# KiCad board H.A.V.O.C. PCB V 1.0.kicad_pcb (continued)
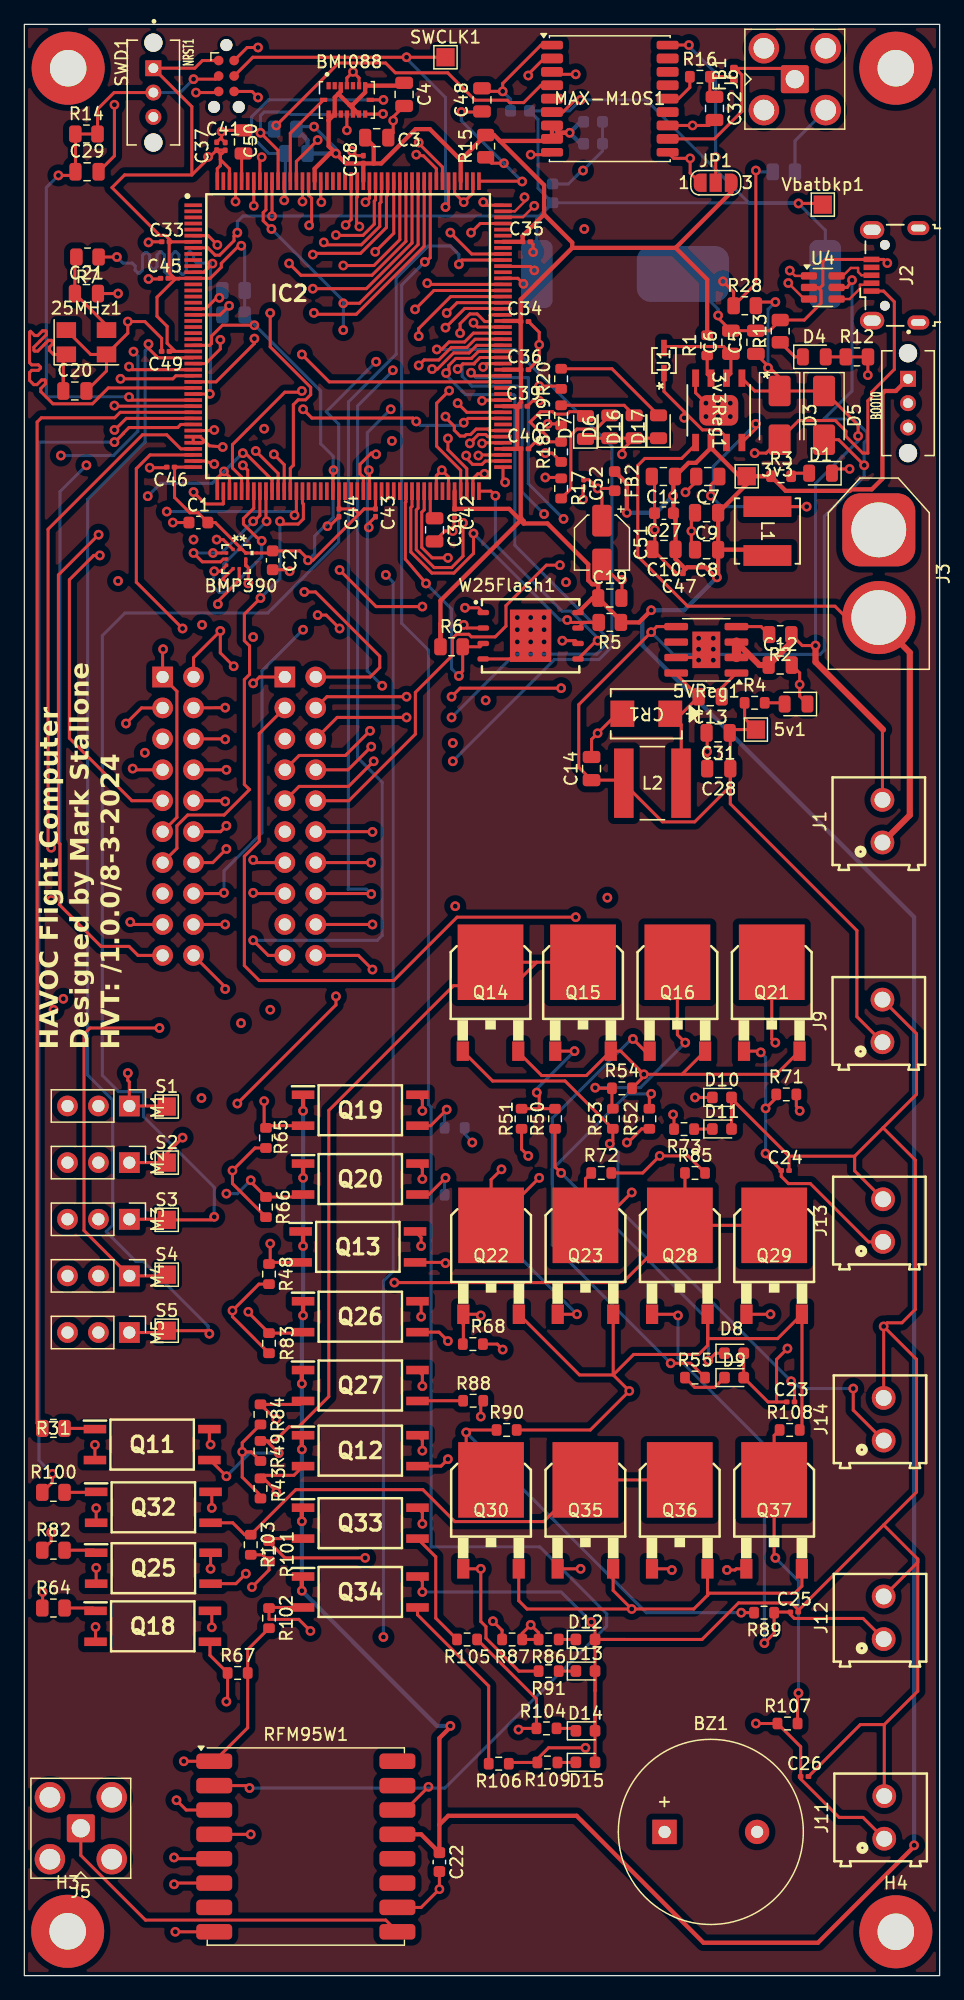
[diagram p0: board, top side]
## Routing (per net, layer and track width the routed paths; a pad name or vN(x,y) marks a point on that pad's centre or on a via; arc(x,y) is an arc through that point) (continued)
DROGUE_SIGNAL: length 96
  Top w0.25: R31.1 1.05,45.35 1.05,127.55 1.4,127.9 7.43,127.9 7.88,128.35 IC2.35
FLASH_!HOLD: length 28.4
  Top w0.25: 45.95,111.1 R5.2 45.95,111.1 ; 45.95,111.1 44.8,111.1 v1(44.6,111.3) ; 45.95,111.1 W25Flash1.7 ; v1(36.9,118.4) 36.9,116.76 35.29,115.15 33.48,115.15 31.75,116.88 31.75,120.52 31.85,120.62 IC2.77
  Bottom w0.25: v1(44.6,111.3) 44,111.3 v1(36.9,118.4)
FLASH_!WP: length 21.5
  Top w0.25: v1(35.7,106.7) 35.7,106.8 36.01,107.11 R6.2 37.43,109.1 W25Flash1.3 ; IC2.76 31.35,121 31.3,120.95 31.3,116.3 v1(33,114.3) 33.1,114.5
  Bottom w0.25: v1(33,114.3) 35.1,112.2 35.1,107.3 v1(35.7,106.7)
GP_GPIO6: length 82.2
  Top w0.25: J7.20 16.5,81.16 v1(16.5,81) ; IC2.49 17.85,123.02 17.1,123.77 17.1,125.7 21.4,130 22.7,130 v1(22.8,130.1)
  GND2 w0.25: v1(22.8,130.1) 23.62,129.27 23.62,118.42 18.77,113.57 13.17,113.57 7.3,107.7 7.3,84.41 10.71,81 v1(16.5,81)
GP_GPIO7: length 44.3
  Top w0.25: J7.10 16.44,96.46 v1(16.5,96.4) ; 18.09,125.21 18.09,125.14 v1(17.95,125) 18.16,125 20.35,122.81 IC2.54
  GND w0.25: v1(14.6,110.9) 14.3,110.9 10.2,115 10.2,121.4 v1(10.14,121.46)
  In2.Cu w0.25: v1(14.6,110.9) 15.38,110.12 15.38,97.52 v1(16.5,96.4)
  Bottom w0.25: v1(10.14,121.46) 11.2,122.52 15.45,122.52 17.92,125 v1(17.95,125)
GP_GPIO8: length 57.9
  Top w0.25: v1(6.2,116.6) 5.7,116.6 3.7,114.6 3.7,101.6 8.84,96.46 J7.9 ; IC2.55 20.85,123.33 v1(19.01,125.17) 19.13,125.17
  In2.Cu w0.25: v1(13.9,117.9) 7.5,117.9 v1(6.2,116.6)
  In3.Cu w0.25: v1(19.01,125.17) 23,121.18 23,116.92 15.67,116.92 14.7,117.9 v1(13.9,117.9)
GP_GPIO9: length 44.7
  Top w0.25: IC2.56 21.35,124.05 v1(20.5,124.9) ; J7.8 v1(16.6,99)
  In3.Cu w0.25: v1(16.6,99) 16.1,99 15.4,99.7 15.4,108.45 11.98,108.45 11.7,108.17 11.1,108.17 10.67,108.6 10.67,117.15 17.22,123.7 17.22,125.3 17.82,125.9 19.5,125.9 v1(20.5,124.9)
GP_GPIO10: length 76.9
  Top w0.25: v1(8.9,99.1) 9,99 J7.7 ; IC2.57 21.85,123.75 22.1,124 22.1,128.98 22.5,129.38 23.1,129.38 23.52,129.8 23.52,130.4 20.2,133.73 v1(20.2,136.5)
  GND w0.25: v1(20.2,136.5) 20.2,138.15 18,140.35 16.27,140.35 15.76,139.83 14.28,139.83 9.47,135.02 9.2,135.02 2.27,128.1 2.27,105.72 v1(8.9,99.1)
GP_GPIO18: length 47.7
  Top w0.25: J10.1 19.32,106.62 v1(18.8,106.1) ; v1(36.1,127.5) 36.45,127.85 IC2.97 ; v1(22.9,128.6) 23.62,127.88 31.92,127.88 v1(32.2,127.6)
  In2.Cu w0.25: v1(22.9,128.6) 22.9,125.83 18.07,121 18.07,117.57 22.27,113.38 v1(18.8,109.9)
  GND2 w0.25: v1(18.8,106.1) v1(18.8,109.9)
  Bottom w0.25: v1(32.2,127.6) 32.52,127.27 35.88,127.27 v1(36.1,127.5)
GP_GPIO19: length 82.3
  Top w0.25: v1(23,113.6) 23.93,113.6 29.2,108.33 29.2,107.4 28.42,106.62 J10.2 ; v1(35.6,129.1) 36.35,128.35 IC2.98
  In3.Cu w0.25: v1(35.6,129.1) 34.2,129.1 29.81,133.49 32.82,136.5 33.46,136.5 37.42,140.46 37.42,143.4 37,143.82 28.6,143.82 25.47,140.7 25.47,139.23 23.06,136.81 23.06,136.21 24.06,135.21 24.06,114.66 v1(23,113.6)
GP_GPIO20: length 107.2
  Top w0.25: v1(45.3,86.9) 35.55,86.9 30.35,81.7 19.3,81.7 18.07,82.92 18.07,91.9 19.3,93.13 19.3,101.98 J10.3 ; IC2.104 36.95,131.35 v1(36.7,131.6)
  In2.Cu w0.25: v1(44.3,119.6) 46.3,117.6 46.3,87.9 v1(45.3,86.9) 45.5,86.9 45.4,87
  Bottom w0.25: v1(36.7,131.6) 37.1,131.2 41.4,131.2 41.4,122.5 v1(44.3,119.6) 44.25,119.65
GP_GPIO21: length 59
  Top w0.25: v1(35.1,105) 35.8,105.7 v1(44.1,105.7) ; IC2.107 37.44,132.85 36.96,132.38 36.96,132.32 36.02,132.32 v1(35.6,131.9) ; J10.4 24.86,105 v1(31.4,105)
  GND w0.25: v1(44.1,105.7) 45.32,106.92 45.32,117.38 v1(42.7,120)
  GND2 w0.25: v1(35.1,105) v1(31.4,105)
  Bottom w0.25: v1(42.7,120) 40.9,121.8 40.9,130.5 36.77,130.5 35.97,131.3 35.97,132.27 36.02,132.32 v1(35.6,131.9)
GP_GPIO22: length 62.8
  Top w0.25: J10.6 25.7,103.3 v1(31.4,103.3) ; IC2.108 37.3,133.35 36.73,132.77 35.45,132.77 34.88,132.2 34.88,131.8 v1(34.65,131.57)
  GND2 w0.25: v1(35.1,103.3) v1(31.4,103.3)
  Bottom w0.25: v1(35.1,103.3) 40.3,108.5 47.03,108.5 47.82,109.3 47.82,109.9 40.3,117.43 40.3,129.7 40.2,129.8 36.25,129.8 34.65,131.4 v1(34.65,131.57)
GP_GPIO23: length 67.1
  Top w0.25: J10.7 22.57,100.17 26.38,100.17 v1(28.4,102.2) ; v1(33.5,131.9) 33.94,131.9 35.26,133.22 36.54,133.22 37.17,133.85 IC2.109
  In2.Cu w0.25: v1(37.9,104.7) 44.13,104.7 44.92,105.5 44.92,109.9 43.88,110.95 43.88,113.77 v1(44.5,114.4)
  GND2 w0.25: v1(37.9,104.7) 35.4,102.2 v1(28.4,102.2) ; 44.7,114.3 v1(44.5,114.4) 45.03,114.62 45.03,121.8 43.1,123.72 43.05,123.72 38.55,128.22 35.45,128.22 33.5,130.17 v1(33.5,131.9)
GP_GPIO24: length 53.9
  Top w0.25: J10.8 26.6,99 v1(28.5,100.9) ; v1(32.4,132.2) 32.85,132.65 34.05,132.65 35.08,133.68 36.36,133.68 37.03,134.35 IC2.110
  In2.Cu w0.25: v1(35.2,101.2) 34.17,102.22 34.17,111.94 35.55,113.31 35.55,118.73 35.31,118.97 35.31,121.56 35.57,121.82 35.57,126.6 34.9,127.27 34.3,127.27 32.7,128.87 32.7,130.3 32.4,130.6 v1(32.4,132.2)
  GND2 w0.25: v1(35.2,101.2) 28.8,101.2 v1(28.5,100.9)
GP_GPIO25: length 72.2
  Top w0.25: J10.9 22.57,97.63 26.63,97.63 v1(28.7,99.7) ; IC2.111 36.89,134.85 36.17,134.12 34.89,134.12 34.28,133.51 v1(33.89,133.51)
  GND2 w0.25: v1(35.2,99.7) v1(28.7,99.7)
  Bottom w0.25: v1(35.2,99.7) 43.55,108.05 47.21,108.05 48.28,109.11 48.28,125.55 40.33,133.5 33.9,133.5 v1(33.89,133.51)
GP_GPIO26: length 66.3
  Top w0.25: IC2.114 38.3,136.35 38.28,136.32 38.28,135.8 37.83,135.8 37.2,136.43 36.6,136.43 35.8,135.63 v1(35.8,134.85) 35.8,135.2 ; v1(44,115.8) 42.89,115.8 39.57,112.48 39.57,110.8 38.69,109.91 36.73,109.91 36.52,110.12 35.5,110.12 35.17,109.8 35.17,108.4 32.12,105.35 32.12,101.92 26.66,96.46 J10.10
  GND2 w0.25: v1(35.8,134.85) 42.1,128.55 42.1,126.73 45.47,123.35 45.47,114.35 44.8,113.67 44.2,113.67 43.78,114.1 43.78,115.57 v1(44,115.8)
GP_GPIO27: length 85.5
  Top w0.25: IC2.115 38.35,136.85 38.32,136.88 36.17,136.88 v1(34.6,135.3) ; v1(28.6,82.6) 27.44,83.76 J10.20
  In2.Cu w0.25: v1(34.6,135.3) 34.88,135.57 38.25,135.57 43.72,130.1 43.72,122.82 41.7,120.8 41.7,119.13 45.4,115.43 45.4,88.3 44.7,87.6 35.6,87.6 v1(35.4,87.8)
  GND2 w0.25: v1(35.4,87.8) 30.2,82.6 v1(28.6,82.6)
GP_GPIO28: length 75.1
  Top w0.25: 18.9,84.9 v1(18.8,85) 20.04,83.76 J10.19 ; IC2.116 35.55,137.35 v1(34.7,136.5)
  GND2 w0.25: v1(30.27,131.8) 30.63,131.8 33.12,134.3 33.12,136.38 33.1,136.4 34.6,136.4 v1(34.7,136.5)
  Bottom w0.25: v1(18.8,85) 29,85 29.4,85.4 29.4,97.97 27.38,99.99 27.38,128.88 30.27,131.77 v1(30.27,131.8) 30.3,131.8
GP_GPIO29: length 66.3
  Top w0.25: J10.18 v1(28.6,86.3) 28.7,86.3 ; IC2.117 35.02,137.85 32.4,135.23 v1(32.4,134.6)
  GND2 w0.25: v1(28.6,86.3) 26.62,88.27 26.62,131.25 29.97,134.6 v1(32.4,134.6)
GP_GPIO30: length 75.6
  Top w0.25: v1(32.1,136.8) 33.65,138.35 IC2.118
  In3.Cu w0.25: J10.17 22.6,85.1 31.1,85.1 31.5,84.7 33.3,86.5 33.3,105 27.67,110.62 27.67,132.38 v1(32.1,136.8)
GP_GPIO31: length 69.9
  Top w0.25: 35.7,140.6 35.95,140.85 IC2.123 ; 35.7,140.6 35.6,140.5 v1(35.7,140.5) 35.7,140.6 ; J10.16 28.46,88.84 v1(28.5,88.8)
  Bottom w0.25: v1(28.5,88.8) 28.1,89.2 26.6,89.2 26.62,89.22 26.62,129.2 30.55,133.12 30.55,139.38 33.17,142 35,142 35.7,141.3 v1(35.7,140.5)
GP_GPIO32: length 133.2
  Top w0.25: J10.15 18.86,88.84 v1(18.8,88.9) ; IC2.124 36.75,141.35 v1(35,143.1)
  GND w0.25: v1(35,143.1) 35.72,142.38 44.97,142.38 v1(46,143.4)
  In2.Cu w0.25: v1(46,143.4) 54.13,143.4 63.3,134.23 63.3,88.8 63,88.5 v1(47.9,88.5)
  GND2 w0.25: v1(18.8,88.9) 20.03,87.66 26.21,87.66 28.3,85.57 28.9,85.57 31.85,88.52 v1(47.9,88.5) 47.88,88.52
GP_GPIO33: length 66.6
  Top w0.25: IC2.129 37.45,143.85 v1(36.7,143.1) ; J10.14 v1(28.48,91.38)
  In3.Cu w0.25: v1(28.48,91.38) 26.72,91.38 26.3,91.8 27.22,92.72 27.22,132.95 31.8,137.52 33.85,137.52 36.7,140.37 v1(36.7,143.1)
GP_GPIO34: length 123.9
  Top w0.25: J10.13 19.02,91.38 v1(18.8,91.6) ; 23.4,143.8 23.3,143.7 v1(23.4,143.7) 23.4,143.8 ; 23.4,143.8 23.6,144 23.6,145.93 23.35,146.18 IC2.161
  GND w0.25: v1(18.8,91.6) 18.07,90.88 18.07,79.82 18.5,79.4 18.2,79.4 18.1,79.3 v1(2.4,79.3)
  In3.Cu w0.25: v1(2.4,79.3) 2.74,79.64 2.47,79.9 2.47,80.5 3.2,81.22 3.2,120.67 10.92,128.4 10.92,148.47 10.8,148.6 19.53,148.6 23.4,144.73 v1(23.4,143.7)
GP_GPIO35: length 65
  Top w0.25: J10.12 28.58,93.92 v1(28.6,93.9) ; v1(20.3,143.4) 19.62,144.07 19.62,144.75 19.85,144.98 IC2.168
  GND w0.25: v1(30.1,128.6) 26.2,132.5 v1(26.2,135.1)
  GND2 w0.25: v1(28.6,93.9) 27.67,94.82 27.67,104.07 29.4,105.8 v1(29.4,105.9) 29.5,105.9
  Bottom w0.25: v1(30.1,128.6) 28.17,126.67 28.17,107.12 v1(29.4,105.9) ; v1(26.2,135.1) 26.2,137.5 v1(20.3,143.4)
GP_GPIO36: length 30
  Top w0.25: v2(18.85,145.3) IC2.170 ; R15.1 38.39,148.8 v2(39.4,148.8) ; MAX-M10S1.9 43.15,149.5 v2(41.6,149.5)
  GND w0.25: v2(18.85,145.3) 19,145.3 22.47,148.77 39.38,148.77 v2(39.4,148.8) 39.5,148.9 41,148.9 v2(41.6,149.5)
GPS_TIMEPULSE: length 32.1
  Top w0.25: 43.15,155.4 MAX-M10S1.4 42.45,155.2 41.03,153.78 39.88,153.78 39.67,153.97 37.03,153.97 34.78,156.22 30.48,156.22 29.68,157.03 25.82,157.03 v4(20.7,151.9) ; v4(19.5,149.3) 19.35,149.15 IC2.169
  In2.Cu w0.25: v4(19.5,149.3) 20.7,150.5 v4(20.7,151.9)
HSE_IN: length 34.1
  Top w0.25: 3.2,131.5 C20.1 3.2,131.5 ; 3.2,131.5 3.2,132.85 25MHz1.1 2.4,133.1 2.06,133.44 2.06,133.7 2.3,133.94 2.3,134.2 2.24,134.26 1.98,134.26 1.74,134.01 1.61,133.89 1.1,133.37 0.84,133.37 0.78,133.44 0.78,133.69 1.29,134.21 1.81,134.72 1.81,134.97 1.74,135.04 1.49,135.04 1.1,134.65 0.85,134.65 0.5,135 0.42,134.93 0.42,132.43 0.6,132.25 1.15,132.25 1.33,132.06 1.33,131.97 1.15,131.79 0.6,131.79 0.42,131.62 0.42,130.97 0.78,130.62 1.03,130.62 1.42,131.01 1.67,131.01 1.74,130.94 1.74,130.69 1.35,130.3 1.35,130.05 2.35,129.05 5.6,129.05 6.9,130.35 IC2.31
HSE_OUT: length 32.8
  Top w0.25: 7.5,141.1 v1(7.6,141.1) 7.5,141.1 ; 7.5,141.1 R7.1 ; v1(15.24,129.86) 15.2,129.82 14.92,129.82 14.9,129.85 IC2.32
  Bottom w0.25: v1(7.6,141.1) 8.1,140.6 8.86,140.6 9.1,140.36 9.1,140.02 9.34,139.78 9.46,139.78 9.7,140.02 9.7,141.23 9.94,141.47 10.06,141.47 10.3,141.23 10.3,140.32 10.54,140.08 10.66,140.08 10.91,140.32 10.91,141.28 11.14,141.52 11.27,141.52 11.5,141.28 11.5,139.92 11.74,139.68 11.86,139.68 12.1,139.92 12.1,141.28 12.34,141.52 12.46,141.52 12.7,141.28 12.7,139.92 12.94,139.68 13.06,139.68 13.3,139.92 13.3,141.28 13.54,141.52 13.66,141.52 13.91,141.28 13.91,140.84 14.14,140.6 15.3,140.6 15.3,129.93 v1(15.24,129.86)
I2C1_SCL: length 23
  Top w0.25: v1(29.5,154) BMI088.8 ; v1(21.35,145.75) IC2.165
  Bottom w0.25: v1(21.35,145.75) 21.44,145.84 R9.2 20.07,149.6 18.67,151 18.67,152.61 20.06,154 29.4,154 ; 29.4,154 v1(29.5,154) 29.4,154
I2C1_SDA: length 19
  Top w0.25: IC2.166 20.85,149.85 v1(19.4,151.3) ; v1(29.47,152.85) 29.45,152.83 BMI088.9
  Bottom w0.25: v1(29.47,152.85) 29.41,152.8 21.9,152.8 21.7,153 19.7,153 19.4,152.7 v1(19.4,151.3) 20.22,151.3 20.52,151.6
I2C2_CS: length 39
  Top w0.25: v1(19.4,113.1) 18.07,111.77 18.07,109.6 18.5,109.17 18.5,106.82 18.07,106.4 18.07,97.8 18.5,97.37 16.41,95.28 13.41,95.28 12.53,94.41 12.53,92.55 J7.13 ; IC2.59 22.85,120.9 22.92,120.82 22.92,119.6 22.5,119.17 21.22,119.17 v1(21,119.4)
  Bottom w0.25: v1(21,119.4) 21,114.7 v1(19.4,113.1)
I2C2_SCL: length 50.2
  Top w0.25: J7.3 9.63,104.08 v1(8.35,102.8) ; IC2.19 16.08,136.35 v1(16.82,137.09)
  GND w0.25: v1(16.82,137.09) 16.82,137.09 16.82,134 3.3,120.47 3.3,107.1 7.6,102.8 v1(8.35,102.8)
  Bottom w0.25: R10.2 16.27,136.57 16.79,137.09 v1(16.82,137.09)
I2C2_SDA: length 52.9
  Top w0.25: v1(16.02,137.75) 15.8,137.75 14.9,136.85 IC2.18 ; J7.4 v1(16.5,104.1) 16.48,104.08
  GND w0.25: v1(16.5,104.1) 15.32,105.27 15.32,109.45 14.9,109.88 11.3,109.88 5.15,116.02 5.15,120.85 17.6,133.3 17.6,137.34 17.12,137.82 16.09,137.82 v1(16.02,137.75)
  Bottom w0.25: v1(16.02,137.75) 16.02,138.1 R11.2
INT_ACC: length 7.8
  Top w0.25: IC2.164 21.85,151.26 BMI088.16
INT_GYR: length 8.2
  Top w0.25: v2(24.1,150.7) 22.35,148.95 IC2.163 ; v2(26.5,151.5) BMI088.12
  GND w0.25: v2(26.5,151.5) 25.7,150.7 v2(24.1,150.7)
LED1: length 6.1
  Top w0.25: v1(42.8,123) 44.03,123 R17.1 ; IC2.89 39.32,122.77 v1(39.5,122.6)
  In3.Cu w0.25: v1(42.8,123) 42.4,122.6 v1(39.5,122.6)
LED2: length 12.4
  Top w0.25: v1(36.3,124.8) 36.3,124.6 36.82,124.07 37.6,124.07 37.88,124.35 IC2.90 ; v1(42.8,125) 43.38,125 R18.1
  In3.Cu w0.25: v1(42.8,125) 41.88,124.07 37,124.07 36.3,124.77 v1(36.3,124.8)
LED3: length 10.6
  Top w0.25: 37.5,124.9 v1(37.3,124.8) 37.55,124.85 IC2.91 ; R19.1 43.97,127.4 v1(43,127.4)
  In2.Cu w0.25: 43,127.3 v1(43,127.4) 43,127.3 ; 43,127.3 43,126.8 41,124.8 v1(37.3,124.8)
LED4: length 13.3
  Top w0.25: R20.1 43.88,130.5 v1(42.3,130.5) ; v1(36.6,125.8) 36.88,126.07 36.88,126.1 37.3,126.52 37.9,126.52 38.07,126.35 IC2.94
  In2.Cu w0.25: 42.3,130.4 v1(42.3,130.5) 42.3,130.4 ; 42.3,130.4 42.3,129.6 38.5,125.8 v1(36.6,125.8)
MAIN_CONT: length 115
  Top w0.25: v5(23.7,141.3) 23.8,141.4 27.62,141.4 29.75,143.53 29.75,146.09 29.85,146.19 IC2.148 ; Q20.2 22.69,63.92 R66.1 18.6,65.17 v1(18.6,65.3)
  In2.Cu w0.25: v5(23.7,141.3) 17.87,141.3 17.38,140.8 17.38,139.4 17.87,138.9 17.87,135.97 17.5,135.6 17.5,135.2 17.22,134.93 17.22,112.9 16.2,111.88 7.67,111.88 7.1,111.3 7.1,83.96 10.25,80.81 10.25,72.58 16.6,66.23 v1(16.6,64.2)
  Bottom w0.25: v1(16.6,64.2) 17.5,64.2 v1(18.6,65.3)
MAIN_SIGNAL: length 111.3
  Top w0.25: R64.1 1.5,30.2 v1(1.5,31.5) ; 7.5,128.8 v1(7.4,128.9) 7.5,128.9 7.55,128.85 IC2.34
  In2.Cu w0.25: v1(1.5,31.5) 1.42,31.57 1.42,128.82 1.5,128.9 v1(7.4,128.9)
NRST: length 50.5
  Top w0.25: 8.7,129.5 8.85,129.35 IC2.33 ; 8.7,129.5 v1(8.6,129.6) 8.7,129.5 ; SWD1.3 15.7,155.7 v1(13.9,155.7) ; NRST1.2 7.37,154.6 6.01,153.24 R14.2 R14.1 4.2,151.19 C29.1 3.9,147.8 v1(2.8,147.8)
  Bottom w0.25: NRST1.2 12.8,154.6 v1(13.9,155.7) ; v1(8.6,129.6) 8.57,129.62 1.82,129.62 1.8,129.6 1.8,146.8 v1(2.8,147.8)
PYRO5V: length 288.3
  Top w0.25: Q12.4 32.7,43.97 v1(32.7,43.1) ; Q33.4 32.7,38.02 v1(32.7,37.1) ; Q13.4 32.6,60.6 v1(32.6,59.9) ; 70.6,37 73.4,34.2 ; 70.6,37 63.57,29.97 C25.2 63.57,30.04 63.02,30.6 58.67,30.6 55.67,27.6 49.29,27.6 ; 70.6,37 73.3,39.7 73.3,50.6 v1(70.6,53.3) ; 73.4,34.2 73.4,33.93 J12.2 ; 73.4,34.2 73.4,23.36 70.65,20.61 ; 62.82,67.27 C24.2 ; 62.82,67.27 68.22,67.27 ; 62.82,67.27 58.1,72 D10.2 D11.2 ; 70.55,69.61 73.2,66.96 73.2,54.7 72.1,53.6 70.9,53.6 v1(70.6,53.3) ; 70.55,69.61 68.22,67.27 ; 70.55,69.61 73.3,72.36 73.3,77.33 J9.2 ; D12.2 46.89,23.4 ; D12.2 49.29,27.6 ; D12.2 49.29,27.6 ; D12.2 46.89,28.72 v1(46.58,29.03) ; 46.89,23.4 D13.2 ; 46.89,23.4 46.89,21.3 ; v1(15.3,33.4) Q25.4 ; C23.2 61.8,47.1 ; 61.8,47.1 61.8,50.59 v1(62.69,51.49) ; 61.8,47.1 61.1,47.1 D9.2 D8.2 ; C26.2 68.68,20.61 70.65,20.61 ; 70.65,20.61 J11.2 ; 46.89,21.3 46.89,17.86 ; 46.89,21.3 D14.2 ; 46.89,17.86 D15.2 46.89,17.86 46.89,17.86 ; Q27.4 32.7,49.32 v1(32.7,48.4) ; v1(15.4,38.4) 15.4,39.62 Q32.4 ; Q19.4 32.7,71.92 v1(32.7,71) ; v1(15.4,28.6) 15.4,29.8 Q18.4 ; 68.22,67.27 68.22,66.07 J13.2 ; Q34.4 32.7,32.37 v1(32.7,31.5) ; Q11.4 15.2,43.7 v1(15.3,43.6) ; Q20.4 32.7,66.27 v1(32.7,65.4) ; v1(70.6,53.3) J14.2 ; v1(32.6,54.1) 32.6,55.07 Q26.4
  In2.Cu w0.25: v1(70.6,53.3) 68.79,51.49 v1(62.69,51.49) ; v1(32.7,31.5) 30.3,31.5 26.38,27.57 16.42,27.57 v1(15.4,28.6)
  In3.Cu w0.25: v1(32.7,71) v1(32.7,65.4) 32.6,65.3 v1(32.6,59.9) v1(32.6,54.1) 32.7,54 v1(32.7,48.4) v1(32.7,43.1) v1(32.7,37.1) v1(32.7,31.5) ; v1(15.4,28.6) 15.3,28.7 v1(15.3,33.4) 15.4,33.5 v1(15.4,38.4) 15.3,38.5 v1(15.3,43.6)
  Bottom w0.25: v1(32.7,31.5) 44.1,31.5 v1(46.58,29.03)
PYRO_AUX1_FIRED: length 108.6
  Top w0.25: v4(18.4,54.5) 18.4,54.45 R83.1 22.82,52.75 Q26.2 ; v1(24.1,111.7) 24.8,111.7 v1(25.9,110.6) ; v4(24.6,142.3) 24.8,142.1 27.68,142.1 29.2,143.61 29.2,145.5 29.3,145.6 29.3,146.27 29.35,146.32 IC2.149 ; v1(25.6,80.4) 25.6,79.7 v1(17.5,71.6)
  In2.Cu w0.25: 18.4,54.6 17.5,55.5 v1(17.5,71.6) ; 18.4,54.6 v4(18.4,54.5) ; 18.4,54.6 18.6,54.4 ; 25.6,80.5 25.5,80.4 v1(25.6,80.4) 25.6,80.5 ; 25.6,80.5 26.4,81.3 26.4,86.38 26.3,86.48 26.3,110.2 v1(25.9,110.6) ; v4(24.6,142.3) 24.16,141.86 24.51,141.51 24.51,112.11 v1(24.1,111.7)
PYRO_AUX2_FIRED: length 128.5
  Top w0.25: Q33.2 20.48,35.88 20.27,35.67 R101.1 20.1,35.6 21.4,34.3 v4(28,34.3) ; v4(27.52,143.6) 27.3,143.82 27.3,145.98 27.35,146.03 IC2.153
  In2.Cu w0.25: v4(27.52,143.6) 28.1,143.02 28.1,115.3 32.5,110.9 32.5,78.2 28,73.7 v4(28,34.3)
PYRO_DROGUE_FIRED: length 138.3
  Top w0.25: v3(21.75,140.57) 22.72,139.6 28.56,139.6 31.35,142.39 IC2.145 ; 19.65,41.07 R43.1 ; 19.65,41.07 19.4,41.07 20.7,39.78 v3(20.7,39.7) ; 19.65,41.07 22.14,41.07 Q12.2
  GND2 w0.25: v3(20.7,39.7) 11.82,48.57 11.82,73.52 4.05,81.3 4.05,107.22 12.42,115.6 12.42,131.65 19,138.22 19,139.6 20.77,139.6 v3(21.75,140.57)
PYRO_MAIN_FIRED: length 86.4
  Top w0.25: IC2.147 30.35,143.05 v3(28.82,141.53) 28.82,141.72 ; Q19.2 20.08,69.78 19.9,69.6 R65.1 19.7,69.75 v3(19.7,71.8)
  In3.Cu w0.25: 19.7,71.9 v3(19.7,71.8) 19.6,71.8 19.7,71.9 ; 19.7,71.9 19.7,91.73 19.3,92.13 19.3,105.57 19.52,105.8 19.52,106.4 19.3,106.63 19.3,108.26 24.51,113.48 24.51,136.81 24.31,137.01 v3(28.82,141.53)
SERVO1: length 68.6
  Top w0.25: S1.1 11.65,71.4 M1.1 8.62,73.38 8.5,73.5 v1(8.5,74.1) ; IC2.43 14.85,124.35 v1(15.6,124.1)
  In2.Cu w0.25: v1(15.6,124.1) 15.17,124.1 12.42,121.35 12.42,119.82 11.65,119.05 4.6,119.05 4.05,118.5 4.05,78.55 v1(8.5,74.1)
SERVO2: length 108.2
  Top w0.25: IC2.122 39.35,140.32 41.57,140.32 v3(41.9,140) ; v1(13,68.8) 11.7,67.5 S2.1 M2.1
  GND w0.25: v1(7.7,114.5) 7.7,122 9.57,123.88 9.57,124.1 10,124.52 12.02,124.52 23.06,135.56 23.06,136.81 25.92,139.68 41.57,139.68 v3(41.9,140)
  In2.Cu w0.25: v1(7.7,114.5) 8.18,114.02 6.2,112.03 6.2,84.23 9.8,80.63 9.8,72 v1(13,68.8) 12.8,69
SERVO3: length 113.3
  Top w0.25: M3.1 11.3,62.1 11.35,62.05 S3.1 15.35,62.05 v1(15.6,62.3) ; v1(34.6,128) 34.72,127.8 35.32,127.2 35.32,126.88 35.8,126.4 36.17,126.4 36.3,126.52 36.66,126.52 37.11,126.97 38.09,126.97 38.21,126.85 IC2.95
  In3.Cu w0.25: v1(28.9,132.5) 28.9,131.7 32.25,128.35 34.25,128.35 v1(34.6,128)
  Bottom w0.25: v1(15.6,62.3) 15.6,64.72 9.8,70.52 9.8,72.57 7.75,72.57 6.4,73.92 6.4,110 8.27,111.88 20,111.88 25.82,117.7 25.82,127.38 24.8,128.4 v1(28.9,132.5)
SERVO4: length 112.3
  Top w0.25: v1(11.1,77.8) 5.4,77.8 4.9,77.3 4.9,61.17 M4.1 11.6,57.45 S4.1 ; v1(22.8,133.1) 25.05,130.85 IC2.103
  In3.Cu w0.25: 11.1,77.9 v1(11.1,77.8) 11,77.8 11.1,77.9 ; 11.1,77.9 11.1,80.6 7.6,84.1 7.6,113.37 8.42,114.2 8.42,117.07 7.6,117.9 v1(22.8,133.1)
SERVO5: length 99.7
  Top w0.25: M5.1 11.5,52.8 11.65,52.95 S5.1 14.95,52.95 v1(15.2,52.7) ; IC2.26 13.85,132.82 10.97,132.82 10.2,133.6 v1(10.2,133.95)
  Bottom w0.25: 15.1,52.7 v1(15.2,52.7) 15.2,52.6 15.1,52.7 ; 15.1,52.7 15.1,53.32 9.8,58.62 9.17,58.62 6.72,61.08 7.26,61.61 7.26,71.89 5.2,73.95 5.2,121.2 9.92,125.92 9.92,133.4 10.2,133.68 v1(10.2,133.95)
SPI1_CS: length 11
  Top w0.25: BMP390.6 16.3,114.66 v1(16.3,114.3) ; IC2.53 19.85,119.65 v1(19.9,119.4) 19.9,119.6
  Bottom w0.25: 16.4,114.5 v1(16.3,114.3) 16.4,115.9 v1(19.9,119.4)
SPI1_INT: length 18.4
  Top w0.25: IC2.46 16.35,120.85 16.32,120.82 14.88,120.82 v1(13.9,121.8) ; BMP390.7 17.65,114.58 15.9,112.83 v1(15.9,112.6)
  In2.Cu w0.25: v1(13.9,121.8) 16.1,119.6 14.88,118.38 14.88,114.22 v1(15.9,112.6)
SPI1_MISO: length 14.4
  Top w0.25: v1(15.6,115.3) 16.11,115.3 BMP390.5 ; v1(19.5,117.8) 19.07,118.1 18,119.17 18,119.63 18.85,120.48 IC2.51
  Bottom w0.25: 15.5,115.3 v1(15.6,115.3) 15.5,114.07 16,113.57 16.6,113.57 19.5,116.47 v1(19.5,117.8)
SPI1_MOSI: length 11.9
  Top w0.25: IC2.52 19.35,119.88 18.9,119.43 v1(18.8,119.4) 18.9,119.4 ; v1(13.9,116.8) 14.62,116.07 16.12,116.07 16.35,116.3 BMP390.4
  Bottom w0.25: v1(18.8,119.4) 16.2,116.8 v1(13.9,116.8)
SPI1_SCK: length 11.2
  Top w0.25: v1(15.8,117.9) 16.34,117.9 BMP390.2 ; v1(17.95,124) 18.35,123.6 IC2.50
  In3.Cu w0.25: v1(15.8,117.9) 18.2,120.3 18.2,123.75 v1(17.95,124)
SPI2_!CS: length 13.5
  Top w0.25: v1(34.8,116.4) 33.5,116.4 32.65,117.25 32.65,120.15 32.85,120.35 IC2.79 ; v1(36.2,112.3) 37.31,112.3 W25Flash1.1
  In3.Cu w0.25: v1(34.8,116.4) 34.8,113.7 v1(36.2,112.3)
SPI2_MISO: length 17
  Top w0.25: v1(37.8,123.3) 37.25,123.3 36.85,122.9 IC2.87 ; W25Flash1.2 36.36,110.64 v1(36.1,110.9)
  In2.Cu w0.25: v1(37.8,123.3) 37.8,112.6 v1(36.1,110.9)
SPI2_MOSI: length 19.5
  Top w0.25: IC2.88 38.32,121.88 v1(38.7,121.5) ; W25Flash1.5 46.99,109.6 v1(47.1,109.6)
  Bottom w0.25: v1(38.7,121.5) 38.7,117.5 44.17,112.02 44.9,112.02 47.1,109.83 v1(47.1,109.6)
SPI2_SCK: length 32.1
  Top w0.25: v1(36.04,119.27) 36.04,116.54 35.1,115.6 33.67,115.6 32.2,117.07 32.2,120.33 32.35,120.48 IC2.78 ; W25Flash1.6 45.26,109.6 v1(44.2,109.6)
  In2.Cu w0.25: v1(36.04,119.27) 36,119.23 36,113.13 35.38,112.5 35.38,110.52 36.3,109.6 v1(44.2,109.6)
SPI3_CS: length 158.2
  Top w0.25: IC2.139 34.35,148.49 32.4,150.44 v1(32.4,150.5) 32.34,150.5 ; RFM95W1.5 12.4,9.6 v1(12.3,9.7)
  In2.Cu w0.25: 12.3,9.8 v1(12.3,9.7) 12.3,9.8 ; 12.3,9.8 12.3,10.6 v1(29.5,27.8) ; v1(32.4,150.5) 32.17,150.5 29.2,147.53 29.62,147.1 29.62,132.2 29.2,131.77 29.2,125.62 29.7,125.12 v1(29.7,115)
  Bottom w0.25: v1(29.7,115) 30.3,114.4 30.3,57.83 29.5,57.03 v1(29.5,27.8) 29.4,27.9
SPI3_INT: length 143.1
  Top w0.25: v5(26.2,137.3) 27.53,137.3 32.35,142.12 IC2.143 ; v4(33.2,15.5) 31.3,13.6 RFM95W1.14
  GND w0.25: v4(33.2,15.5) 33.88,16.17 33.88,116.3 33.38,116.8 33.38,127.8 34.3,128.72 34.6,128.72 34.6,128.9 v5(26.2,137.3)
SPI3_MISO: length 169.9
  Top w0.25: 33,140.7 33.35,141.05 IC2.141 ; 33,140.7 v1(32.9,140.7) 32.9,140.6 33,140.7 ; v1(18.5,15.4) 18.3,15.6 RFM95W1.2
  Bottom w0.25: v1(32.9,140.7) 31,138.8 31,111.02 33.2,108.82 33.2,71.53 33.42,71.3 33.42,35.2 42.35,35.2 47.85,29.7 47.85,28.7 34.55,15.4 v1(18.5,15.4)
SPI3_MOSI: length 149.3
  Top w0.25: RFM95W1.3 13.3,13.6 v1(12.5,14.4) ; v1(23.79,136.51) 23.9,136.4 27.27,136.4 32.85,141.98 IC2.142
  GND w0.25: v4(20.2,79.3) 13.82,72.92 13.82,15.72 v1(12.5,14.4)
  In2.Cu w0.25: v1(23.79,136.51) 23.8,136.5 23.8,116.73 24.02,116.5 24.02,112.99 19.7,108.66 19.7,93.7 17.6,91.6 17.6,84.7 20.2,82.1 v4(20.2,79.3)
SPI3_RST: length 168.9
  Top w0.25: v1(12.3,7.5) 12.4,7.6 RFM95W1.6 ; IC2.144 31.85,142.25 28.1,138.5 v1(23.7,138.5)
  In3.Cu w0.25: v1(23.7,138.5) 19.2,138.5 17.87,137.17 17.87,131.47 4.2,117.8 4.2,86.86 8.77,82.29 8.77,79.1 10.8,77.07 13.52,77.07 16.77,73.82 16.77,71.3 17.32,70.75 17.32,12.53 v1(12.3,7.5)
SPI3_SCK: length 153
  Top w0.25: IC2.140 33.85,148.35 32.8,149.4 v1(32.2,149.5) 32.2,149.4 ; v1(18.6,11.6) RFM95W1.4
  In2.Cu w0.25: v1(18.6,11.6) 33.72,26.72 33.72,114.6 31.2,117.13 31.2,137.97 33.62,140.4 33.62,148.07 v1(32.2,149.5)
SPI5_CS: length 66.2
  Top w0.25: v1(16.4,88.9) 16.34,88.84 J7.16 ; IC2.30 15.75,130.85 18.9,134 v1(18.9,134.4)
  GND w0.25: v1(22.9,110.5) 20.5,112.9 20.5,118.48 20.3,118.67 18.5,118.67 17.22,119.95 17.22,124.15 16.6,124.77 16,124.77 15.57,125.2 15.57,125.8 17.4,127.62 19.07,127.62 v1(19.7,127)
  In2.Cu w0.25: v1(19.7,127) 19.7,133.6 v1(18.9,134.4)
  Bottom w0.25: v1(22.9,110.5) 19.52,107.12 19.52,93.82 16.4,90.7 v1(16.4,88.9)
SPI5_MISO: length 62.2
  Top w0.25: IC2.28 8.85,131.85 v1(8.6,132.1) ; J7.17 8.9,86.3 v1(8.7,86.5)
  GND w0.25: v1(8.7,86.5) 4,86.5 v1(2.2,88.3) ; v1(8.6,132.1) 7.87,132.1 5.1,129.33 v1(5.1,124)
  Bottom w0.25: v1(2.2,88.3) 2.92,89.02 2.92,121.82 v1(5.1,124)
SPI5_MOSI: length 61.7
  Top w0.25: v1(6.1,118.3) 2.8,115 2.8,93.03 2.92,92.9 2.92,88 2.86,87.94 6.3,84.5 8.6,84.5 9.34,83.76 J7.19 ; IC2.29 12.45,131.35 12.2,131.1 v1(7.9,131.1)
  GND2 w0.25: v1(7.9,131.1) 7.9,130.43 6.1,128.63 v1(6.1,118.3)
SPI5_SCK: length 94.6
  Top w0.25: J7.18 v1(16.5,86.3) ; v1(16.1,134.3) 16.1,133.55 14.9,132.35 IC2.27
  GND w0.25: v1(8.97,133.33) 10,132.3 14.1,132.3 v1(16.1,134.3) ; v1(16.5,86.3) 17.4,85.4 17.4,80 3.4,80 v1(3.2,80.2)
  In2.Cu w0.25: v1(3.2,80.2) 2.55,80.85 2.92,81.22 2.92,92.9 2.55,93.28 2.55,124.35 v1(3,124.8)
  Bottom w0.25: v1(8.97,133.33) 9.32,132.97 9.32,126.8 7.33,124.8 v1(3,124.8)
SWCLK: length 34.1
  Top w0.25: SWCLK1.1 v1(31.4,157.5) 18.77,157.5 SWD1.4 ; IC2.138 34.85,145.45 34.7,145.3 ; 34.7,145.3 v1(34.6,145.2) 34.7,145.3
  Bottom w0.25: 31.3,157.5 v1(31.4,157.5) 31.4,157.4 34.6,154.2 v1(34.6,145.2)
SWDIO: length 30.5
  Top w0.25: v1(19.2,158.3) 18.3,158.3 SWD1.2 ; IC2.132 37.95,145.35 v1(37.7,145.6)
  In2.Cu w0.25: v1(37.7,145.6) 37.7,150.1 29.5,158.3 v1(19.2,158.3)
SWO: length 14.6
  Top w0.25: SWD1.6 18.71,154.69 v1(19.2,154.2) ; IC2.162 v4(22.85,145.65)
  In2.Cu w0.25: v4(22.85,145.65) 22.85,151.65 20.3,154.2 v1(19.2,154.2) 19.2,154.1
UART4_RX: length 33
  Top w0.25: IC2.42 10.32,124.85 9.2,123.73 9.2,114.4 v1(13,110.6) ; J7.6 16.46,101.54 v1(16.5,101.5)
  GND2 w0.25: v1(16.5,101.5) 15.07,102.92 15.07,108.52 v1(13,110.6)
UART4_TX: length 59.5
  Top w0.25: v1(2.2,92.6) 1.95,92.85 1.95,118.75 9.7,126.5 11.7,126.5 12.85,125.35 IC2.41 ; J7.14 15.48,91.38 v1(16.6,92.5)
  GND w0.25: v1(16.6,92.5) 16.54,92.55 v1(2.2,92.6) 2.2,92.55
UART5_RX: length 42.5
  Top w0.25: MAX-M10S1.2 42.7,157.4 41.4,156.1 v1(41.4,156) ; v1(34.9,130.12) 33.88,129.1 33.88,125.56 35.85,123.59 IC2.85
  In3.Cu w0.25: v1(34.9,130.12) 37.82,130.12 40.17,132.47 40.17,154.88 41.3,156 v1(41.4,156) 41.4,156.1
UART5_TX: length 45
  Top w0.25: IC2.86 36.35,123.72 34.8,125.27 v1(34.8,126.2) ; v1(45.3,156.1) 43.55,156.1 MAX-M10S1.3
  In3.Cu w0.25: v1(34.8,126.2) 35.9,126.2 49.1,139.4 49.1,152.3 v1(45.3,156.1)
USB_D+: length 28.8
  Top w0.2: v1(41.09,146.01) 41.09,145.64 40.3,144.85 IC2.131 ; U4.1 63.32,139.55 v1(62.89,139.99)
  In2.Cu w0.2: v1(62.89,139.99) 62.11,140.77 61.81,141.07 61.81,141.09 61.63,141.27 61.49,141.41 61.49,141.97 61.34,142.12 60.78,142.12 56.89,146.01 v1(41.09,146.01)
USB_D-: length 29
  Top w0.2: v1(41.89,145.3) 40.97,144.38 39.92,144.38 39.9,144.35 IC2.130 ; v1(62.76,138.96) 64.07,137.65 U4.3
  In2.Cu w0.2: v1(62.76,138.96) 62.76,139.12 61.61,140.27 61.31,140.57 60.99,140.89 59.84,142.04 56.32,145.56 42.15,145.56 v1(41.89,145.3)
USB_D_Connector+: length 3.6
  Top w0.2: J2.3 68.78,139.6 68.5,139.88 68.5,140.2 67.9,140.2 67.25,139.55 U4.6
USB_D_Connector-: length 3.6
  Top w0.2: J2.2 69.59,138.95 69.46,138.82 68.65,138.82 68.65,138.5 67.8,137.65 U4.4
V_DETECT: length 114.8
  Top w0.25: 60.1,148.1 v1(60.1,148.2) 60.1,148.1 ; 60.1,148.1 60.1,138.93 R28.1 58.28,138.22 v5(57.4,139.1) ; IC2.58 22.35,120.05 v1(22.2,119.9)
  In2.Cu w0.25: v1(11.7,120.2) 11.8,120.3 11.8,150.87 16.03,155.1 29.42,155.1 34.25,150.28 34.25,147.4 40.92,140.72 55.78,140.72 v5(57.4,139.1)
  Bottom w0.25: R29.1 60.21,148.09 v1(60.1,148.2) ; v1(22.2,119.9) 21.9,120.2 v1(11.7,120.2)
Net-(3v3Reg1-SW): length 23
  Top w0.25: v1(60.1,127.4) 60.1,127.01 3v3Reg1.8 ; 64.49,120.61 v1(64.28,120.61) L1.1 ; C7.1 56.4,122.38 v1(56.4,121.5)
  Bottom w0.25: v1(64.28,120.61) 57.29,120.61 v1(56.4,121.5) 56.6,121.7 56.6,123.9 v1(60.1,127.4)
Net-(5VReg1-BST): length 2.4
  Top w0.25: 5VReg1.1 57.3,105.74 C13.1
Net-(5VReg1-PGOOD): length 3.4
  Top w0.25: 60.86,110.43 60.53,110.75 5VReg1.4 ; 60.86,110.43 R2.2 60.86,110.43
Net-(5VReg1-SW): length 11.7
  Top w0.25: 5VReg1.8 53.56,106.84 C13.2 54,103.6 CR1.1 53.97,102.7 53.97,97.92 L2.2
Net-(25MHz1-Pad3): length 7.1
  Top w0.25: 25MHz1.3 6.75,135.5 C21.1 4.15,140.97 R7.2
Net-(C32-Pad1): length 3.9
  Top w0.25: FB1.1 58.01,155.9 R16.2 56.32,154.62 C32.1
Net-(D1-A): length 1.6
  Top w0.25: R3.2 63.25,123.35 D1.2
Net-(D2-A): length 1.7
  Top w0.25: 62.41,104.45 D2.2 62.41,104.45 ; 62.41,104.45 62.36,104.5 R4.2
Net-(D4-K): length 2.4
  Top w0.25: D4.1 63.3,132.9 R13.1
Net-(D6-A): length 9.4
  Top w0.25: R17.2 44.9,122.07 44.9,126.47 45.4,126.97 46.97,126.97 D6.2
Net-(D7-A): length 8.7
  Top w0.25: D7.2 45.74,128.4 44.8,128.4 44.6,128.2 43.6,128.2 43.4,128.4 42.4,128.4 41.55,127.55 42.38,126.72 42.6,126.72 43.03,126.3 43.03,126.07 43.17,125.92 R18.2 44.1,126.04
Net-(D8-K): length 25.8
  Top w0.25: D8.1 56.8,51.1 v1(56.2,50.5) ; R50.1 43.6,66.4 v1(44.1,65.9)
  Bottom w0.25: v1(44.1,65.9) 56.2,53.8 v1(56.2,50.5)
Net-(D9-K): length 3.9
  Top w0.25: D9.1 56.72,48.3 55.07,48.3 R55.1
Net-(D10-K): length 30.6
  Top w0.25: R68.1 38.85,51.85 v1(39.3,51.4) ; D10.1 v1(55.1,72.1)
  In2.Cu w0.25: 55.1,72 55.1,67.2 v1(39.3,51.4) ; 55.1,72 v1(55.1,72.1) 55.1,72
Net-(D11-K): length 1.5
  Top w0.25: R73.1 56.51,69.5 D11.1
Net-(D12-K): length 1.4
  Top w0.25: R86.1 D12.1
Net-(D13-K): length 1.4
  Top w0.25: 45.31,25 D13.1 45.31,25 ; 45.31,25 45.3,25 R91.1
Net-(D14-K): length 1.8
  Top w0.25: 45.21,20.2 D14.1 45.21,20.2 ; 45.21,20.2 45.11,20.3 R104.1
Net-(D15-K): length 1.5
  Top w0.25: 45.31,17.5 D15.1 45.31,17.5 ; 45.31,17.5 45.3,17.5 R109.1
Net-(D16-A): length 6.3
  Top w0.25: R19.2 49.28,128.93 D16.2
Net-(D17-A): length 9.6
  Top w0.25: R20.2 48.28,131.93 D17.2
Net-(IC2-VCAP_1): length 2.4
  Top w0.25: IC2.80 33.35,120 C30.1
Net-(IC2-VCAP_2): length 13.1
  Top w0.25: v1(35.9,153) 37.55,153 C48.1 ; v1(40.9,147.3) 40.88,147.32 IC2.133
  Bottom w0.25: v1(40.9,147.3) 35.9,152.3 v1(35.9,153)
Net-(IC2-VCAP_3): length 2.3
  Top w0.25: C50.1 17.85,149.45 IC2.172
Net-(J5-In): length 30.8
  Top w0.25: RFM95W1.9 29.69,4.56 9.95,4.56 4.64,9.87 J5.1
Net-(J6-In): length 16.5
  Top w0.25: FB1.2 58.53,156.35 58.64,156.35 ; 58.64,156.35 58.94,156.06 58.94,153.05 56.69,150.8 MAX-M10S1.11 ; 58.64,156.35 58.41,156.58 62.41,156.58 J6.1
Net-(J13-Pin_1): length 24.8
  Top w0.25: 60.9,67.4 v1(60.9,67.5) 60.8,67.5 60.9,67.4 ; 60.9,67.4 62.19,66.11 C24.1 62.19,65.61 62.78,65.02 64.57,65.02 69.36,60.24 J13.1 ; R71.1 61.78,72.07 v1(60.9,71.2) ; Q21.1 60.4,75.9 v1(60.5,75.8)
  Bottom w0.25: 60.4,75.9 v1(60.5,75.8) 60.9,75.4 v1(60.9,71.2) v1(60.9,67.5)
Net-(MAX-M10S1-VCC_RF): length 3.1
  Top w0.25: R16.1 54.67,155.03 53.75,154.1 MAX-M10S1.14
Net-(Q11-A): length 2.5
  Top w0.25: R31.2 5.74,44.93 Q11.1
Net-(Q11-E): length 69.3
  Top w0.25: v1(20.9,42.9) 19.9,43.9 R49.1 20.59,43.9 21.75,45.06 22.53,45.06 25.01,47.54 25.01,71.03 35.25,81.27 40.17,81.27 42.1,83.2 ; 42.1,83.2 Q15.2 ; 42.1,83.2 Q14.2 ; Q11.3 15.27,42.33 v1(16.6,41)
  Bottom w0.25: v1(16.6,41) 18.5,42.9 v1(20.9,42.9)
Net-(Q12-E): length 32.9
  Top w0.25: Q12.3 34.23,41.83 v1(34.8,42.4) ; R51.2 40.85,67.85 v1(41.4,67.3)
  In2.Cu w0.25: v1(41.4,67.3) 41.1,67 41.1,56.77 34.8,50.47 v1(34.8,42.4) 34.8,42.5
Net-(Q13-E): length 29.8
  Top w0.25: 49.6,68.4 49.5,68.3 v1(49.5,68.4) 49.6,68.4 ; 49.6,68.4 50.72,69.52 R52.2 ; Q13.3 34.54,58.56 v1(34.6,58.5)
  In3.Cu w0.25: v1(49.5,68.4) 48.78,69.12 36.42,69.12 35.32,68.02 35.32,59.22 v1(34.6,58.5)
Net-(Q14-D): length 54.6
  Top w0.25: Q14.1 38.47,73.45 44.42,73.45 R53.1 48.35,68.55 v1(48.1,68.3) ; v1(63,48.8) 63.28,48.53 63.28,47.1 ; J14.1 68.1,46.43 v1(68.1,48.2)
  Bottom w0.25: v1(63,48.8) 63.9,48.2 v1(68.1,48.2) ; v1(63,48.8) 48.78,63.02 48.78,67.62 v1(48.1,68.3) ; v1(63,48.8) 63.2,48.9
Net-(Q15-D): length 10.4
  Top w0.25: v1(42.1,72.5) 42.3,72.3 42.3,71.17 ; 42.3,71.17 R51.1 ; 42.3,71.17 R50.2 ; Q15.1 v1(45.2,75.9)
  Bottom w0.25: v1(42.1,72.5) 42.1,72.8 v1(45.2,75.9)
Net-(Q16-D): length 51.8
  Top w0.25: 53.1,50.3 v1(53.1,50.28) 54.75,50.28 R55.2 ; v1(51.5,72.4) 51.35,72.25 R52.1 ; Q16.1 51,75.9 v1(50,76.9)
  Bottom w0.25: 43.38,66.2 43.38,70.4 49.88,76.9 v1(50,76.9) ; 43.38,66.2 43.38,65 ; 43.38,66.2 43.38,65 ; 43.38,66.2 49.57,72.4 v1(51.5,72.4) ; 43.38,65 43.38,60 v1(53.1,50.28)
Net-(Q16-G): length 21.8
  Top w0.25: v1(46.9,72.9) 46.95,72.85 R54.1 48.28,71.25 R53.2 ; 53.65,80.3 53.65,80.3 Q16.2 ; 53.65,80.3 53.65,77.25 v1(54.3,76.6) ; 53.65,80.3 53.65,83.2
  Bottom w0.25: v1(54.3,76.6) 50.6,72.9 v1(46.9,72.9)
Net-(Q18-A): length 2.6
  Top w0.25: R64.2 5.62,30.18 Q18.1
Net-(Q18-E): length 104.6
  Top w0.25: v1(42.3,65.5) 38.4,61.6 Q22.2 38.35,65.35 v1(39.2,66.2) ; Q18.3 15.25,26.3 R67.1 16.7,22.6 v1(16.6,22.5) ; Q21.2 61.41,76.89 v1(61.7,76.6)
  In2.Cu w0.25: v1(61.7,76.6) 60.67,77.62 49.7,77.62 39.2,67.13 v1(39.2,66.2)
  GND2 w0.25: v1(16.6,22.5) 42.3,48.2 v1(42.3,65.5)
Net-(Q19-E): length 4.5
  Top w0.25: Q19.3 33.38,69.78 v1(34.7,71.1)
  Bottom w0.25: v1(34.7,71.1) 34.52,70.92 R69.2
Net-(Q20-E): length 4.4
  Top w0.25: 34.5,65.4 v1(34.6,65.5) 34.5,65.4 ; 34.5,65.4 33.23,64.13 Q20.3
  Bottom w0.25: v1(34.6,65.5) 34.52,65.42 R70.2
Net-(Q22-D): length 20.9
  Top w0.25: R68.2 36.07,51.89 36.07,53.45 ; 36.07,53.45 36.07,53.45 Q22.1 ; 36.07,53.45 36.07,54.3 37.4,54.3 v1(37.5,54.2)
  In3.Cu w0.25: v1(36.8,68.4) 36.8,66.67 37.5,65.97 v1(37.5,54.2)
  Bottom w0.25: R69.1 36.17,69.12 v1(36.8,68.4) 36.7,68.6
Net-(Q23-D): length 36.1
  Top w0.25: R73.2 53.38,70.62 v1(53.3,70.7) ; Q23.1 v1(45.4,54.3)
  In3.Cu w0.25: v1(53.3,70.7) 45.4,62.8 v1(45.4,54.3)
  Bottom w0.25: R70.1 36.17,63.52 v1(45.4,54.3)
Net-(Q23-G): length 27.7
  Top w0.25: 63.7,71.1 63.42,71.38 R71.2 ; 63.7,71.1 63.8,71 v1(63.7,71) 63.7,71.1 ; v1(49.9,64.3) 47.2,61.6 Q23.2 46.1,65.42 R72.1
  In3.Cu w0.25: v1(63.7,71) 61.1,68.4 54,68.4 v1(49.9,64.3)
Net-(Q25-A): length 2.7
  Top w0.25: R82.2 5.69,34.93 Q25.1
Net-(Q25-E): length 69.8
  Top w0.25: Q29.2 Q28.2 53.85,61.6 ; R85.1 54.28,62.27 53.85,61.85 53.85,61.6 ; v1(18.2,33) 17.38,32.18 Q25.3 ; 53.85,61.6 49.15,56.9 v1(30.4,56.9)
  In3.Cu w0.25: v1(18.2,33) 18.2,33.72 30.4,45.92 v1(30.4,56.9)
Net-(Q26-E): length 29.6
  Top w0.25: v1(34.8,52.1) 34.07,52.83 Q26.3 ; v1(38.5,29.1) 39.25,28.35 R87.2
  In3.Cu w0.25: v1(34.8,52.1) 35.52,51.38 35.52,31.28 37.7,29.1 v1(38.5,29.1)
Net-(Q27-E): length 3.8
  Top w0.25: R88.2 32.32,47.2 Q27.3
Net-(Q28-D): length 44.9
  Top w0.25: J12.1 68.91,29.32 63.26,29.32 62.94,29.65 C25.1 61.65,29.85 R89.1 61.6,28.1 v1(60.8,27.3) ; 51.57,54.3 Q28.1 53.6,54.3 v1(53.7,54.2)
  Bottom w0.25: v1(60.8,27.3) 60.8,43.6 53.7,50.7 v1(53.7,54.2)
Net-(Q29-D): length 39.9
  Top w0.25: Q29.1 v1(61.3,54.3) ; 40.9,28.1 v1(41.6,28.8) 42.25,28.15 R86.2 R87.1 40.9,28.1
  In3.Cu w0.25: v1(41.6,28.8) 41.6,34.6 v1(61.3,54.3)
Net-(Q30-D): length 26.7
  Top w0.25: v1(37.5,33.4) 37.4,33.4 ; v1(37.5,33.4) 37.5,29.07 37.92,28.65 37.92,27.7 40.63,25 R91.2 ; v1(37.5,33.4) 37.4,33.4 ; 37.4,33.4 Q30.1 ; v1(37.5,45.9) 37.5,47 R88.1
  In3.Cu w0.25: v1(37.5,33.4) v1(37.5,45.9)
Net-(Q30-G): length 38.7
  Top w0.25: R90.1 36.5,44.8 v1(36.3,44.6) 36.3,42.74 37.32,41.72 ; R89.2 59,29.8 ; 59,29.8 v1(58.9,29.8) 59,29.8 ; 37.32,41.72 Q30.2 37.32,41.72
  Bottom w0.25: v1(36.3,44.6) 51.1,29.8 v1(58.9,29.8)
Net-(Q32-A): length 2.6
  Top w0.25: Q32.1 5.86,39.68 R100.2
Net-(Q32-E): length 43
  Top w0.25: Q36.2 Q35.2 42.67,37.28 35.37,37.28 32.74,39.9 22.3,39.9 R103.1 18.1,36.2 17.12,37.18 Q32.3
Net-(Q33-E): length 9.6
  Top w0.25: R105.2 33.8,29.35 33.8,34.38 Q33.3
Net-(Q34-E): length 15.3
  Top w0.25: R106.2 38.15,23.78 32.3,29.63 Q34.3
Net-(Q35-D): length 37.6
  Top w0.25: J11.1 68.9,12.99 66.94,12.99 63.78,16.15 C26.1 63.78,18.79 R107.1 v1(60.1,20.7) ; Q35.1 v1(45.7,33.4)
  In3.Cu w0.25: v1(45.7,33.4) 58.4,20.7 v1(60.1,20.7)
Net-(Q36-D): length 30.8
  Top w0.25: v1(40.6,20.2) 40.7,20.3 R104.2 42.07,22.72 R105.1 ; Q36.1 53.1,33.4 v1(53.2,33.3)
  In2.Cu w0.25: v1(53.2,33.3) 53.2,32.8 v1(40.6,20.2)
Net-(Q37-D): length 28.2
  Top w0.25: R106.1 39.9,17.5 41.86,17.5 ; 41.86,17.5 43.07,18.7 v1(46.1,18.7) ; 41.86,17.5 R109.2 ; v1(57.72,33.3) 58.4,33.3 58.49,33.4 Q37.1
  In2.Cu w0.25: v1(57.72,33.3) 57.72,30.33 v1(46.1,18.7)
Net-(Q37-G): length 25.1
  Top w0.25: v1(63.6,23.2) 63.53,23.12 R107.2 ; v1(61.7,34.3) 61.6,34.4 Q37.2 61.6,44.35 R108.1
  Bottom w0.25: v1(63.6,23.2) 63.6,32.4 v1(61.7,34.3)

## Copper pours and planes (outline as drawn; the poured copper is in the pictures)
GND on GND: 0,160.2 75,160 75,0.2 0.2,0.2
GND on GND2: 0,160.2 75,160 75,0.2 0.2,0.2
(no net) on Top, Bottom, In2.Cu, In3.Cu: 0,160.2 75,160 75,0.2 0.2,0.2

## Text on the board
B.Silkscreen: Created for the Kent State University High Power Rocket Team. / Project Files: https://github.com/emCoderMan/H.A.V.O.C / Please start a discussion on the github with any results files you log, I want to continue developing this project. / -Mark Stallone / www.linkedin.com/in/mark-stallone-46122424a
F.Silkscreen: HAVOC Flight Computer / Designed by Mark Stallone / HVT: /1.0.0/8-3-2024
